# KiCad board motherboard.kicad_pcb (continued)
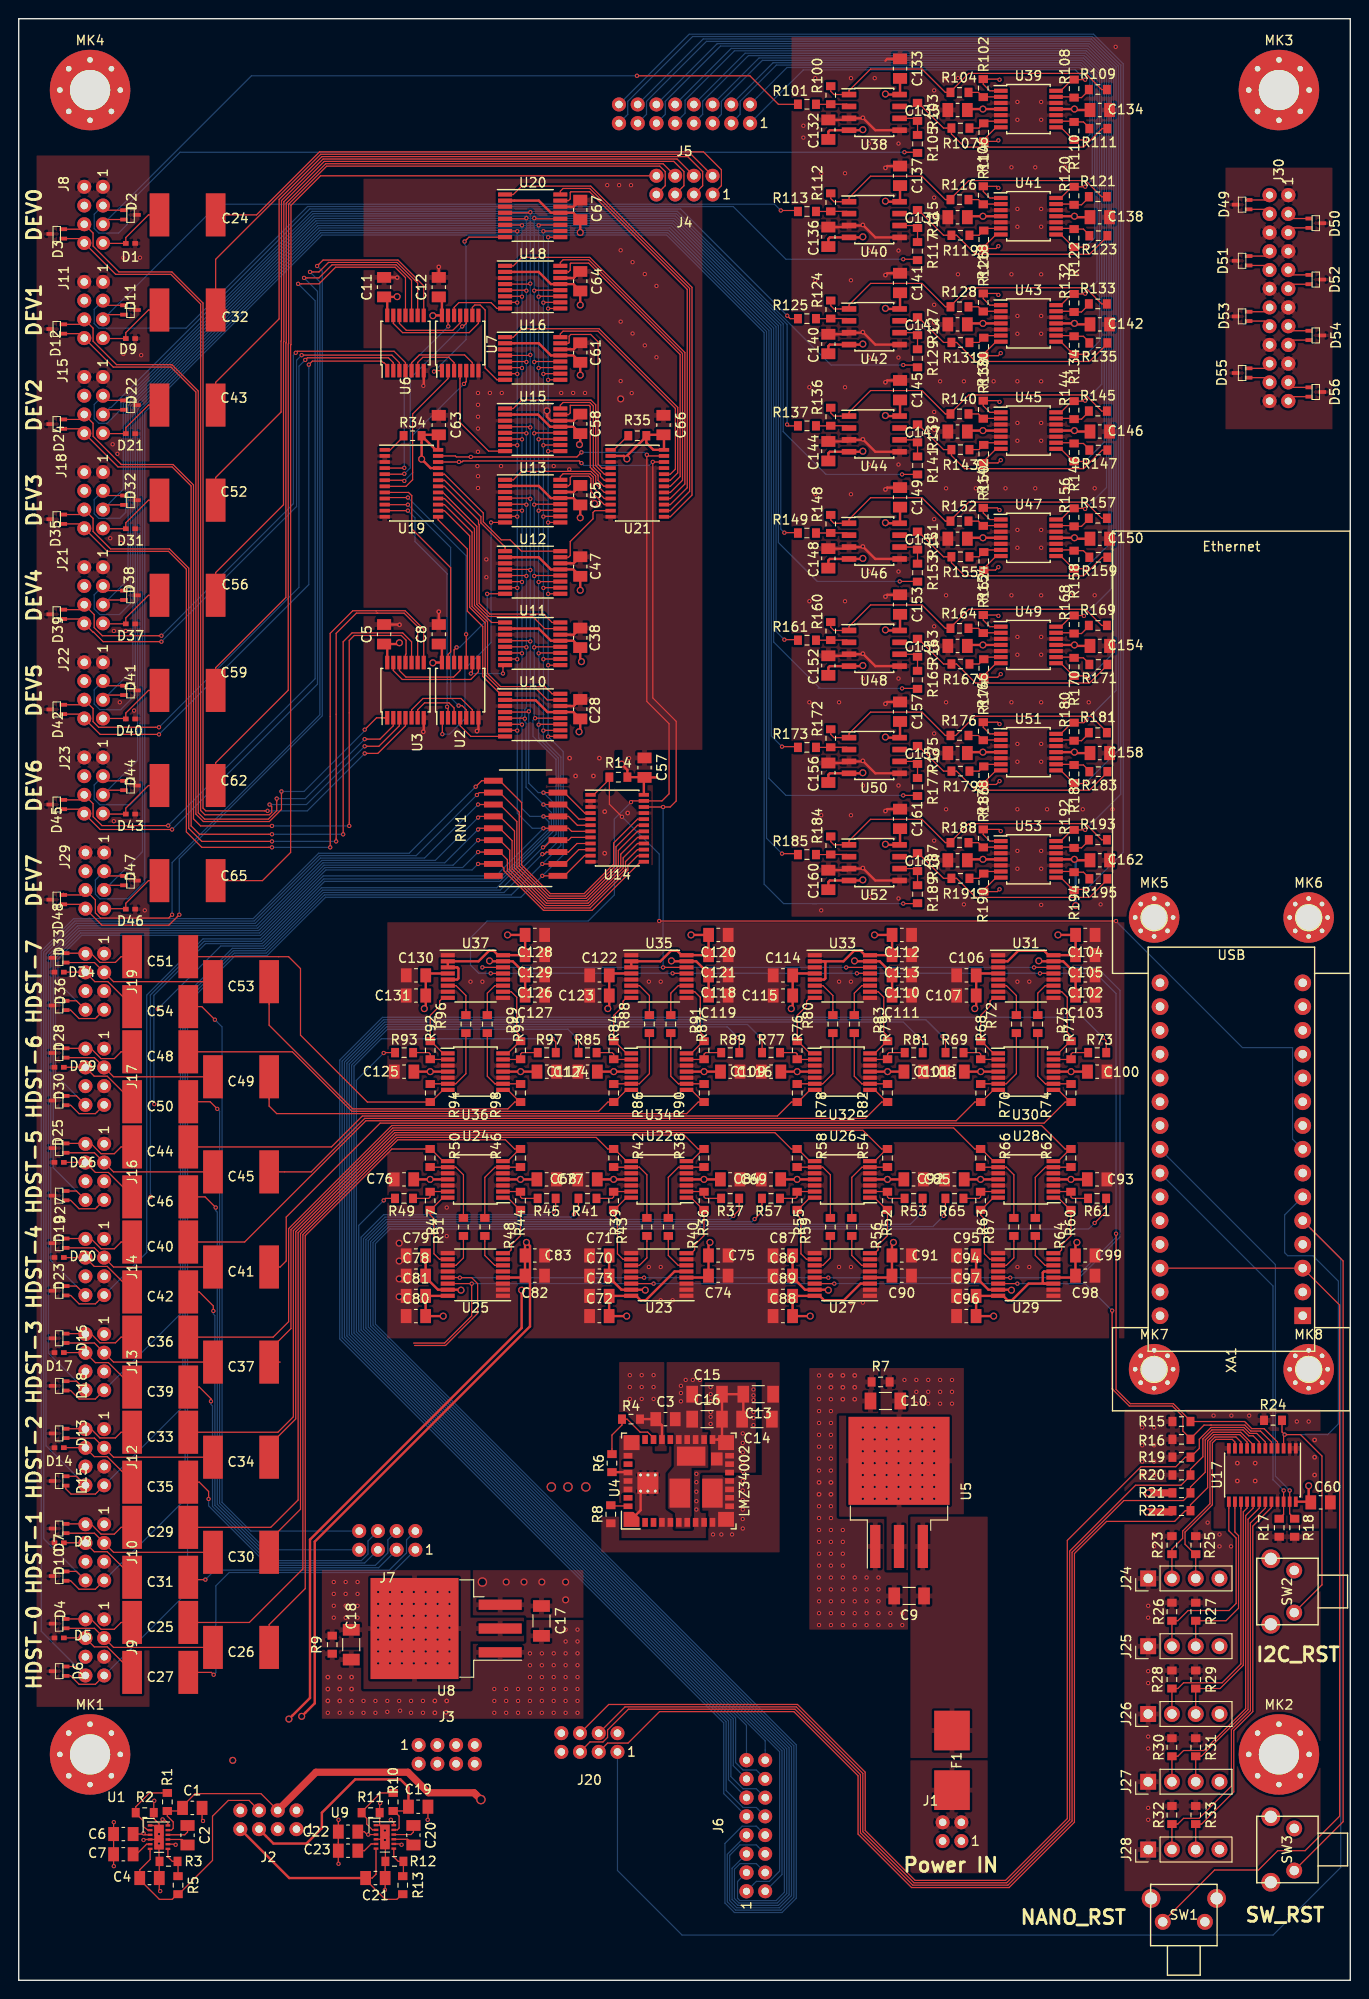
[diagram p0: board, top side]
## Routing (per net, layer and track width the routed paths; a pad name or vN(x,y) marks a point on that pad's centre or on a via; arc(x,y) is an arc through that point) (continued)
/Audio Mux and Control/Device LR Distro Amplifier 4/L_IN: length 131.4
  Top w0.127: R149.2 83.2,154.65 v1(81.79,154.65) ; D38.2 9.5,147.46 J21.5
  Bottom w0.127: v1(81.79,154.65) 81.41,155.03 81.41,176.85 70.04,188.21 31.65,188.21 11.68,168.25 11.68,149.64 J21.5
/Audio Mux and Control/Device LR Distro Amplifier 4/R_IN: length 152.8
  Top w0.127: v1(94.11,149.44) 95.99,149.44 R153.2 ; D38.1 9.5,148.46 J21.3
  Bottom w0.127: v1(94.11,149.44) 85.3,149.44 81.15,153.59 81.15,176.74 69.93,187.96 31.75,187.96 11.94,168.14 11.94,147.07 10.77,145.9 8.67,145.9 8.06,146.5 8.06,148.01 J21.3
/Audio Mux and Control/Device LR Distro Amplifier 5/L_IN: length 151.7
  Top w0.127: v1(81.79,143.22) 83.18,143.22 R161.2 ; D41.2 9.5,137.3 J22.5
  Bottom w0.127: v1(81.79,143.22) 80.9,144.1 80.9,176.64 69.83,187.71 31.86,187.71 12.19,168.04 12.19,139.99 J22.5
/Audio Mux and Control/Device LR Distro Amplifier 5/R_IN: length 173.2
  Top w0.127: v1(94.36,138.01) 95.97,138.01 R165.2 ; J22.3 9.5,138.3 D41.1
  Bottom w0.127: 85.6,138.01 v1(94.36,138.01) ; 85.6,138.01 85.38,138.01 ; 85.6,138.01 80.65,142.96 80.65,176.51 69.7,187.45 31.96,187.45 12.45,167.93 12.45,137.29 10.89,135.74 8.67,135.74 8.06,136.34 8.06,137.85 J22.3
/Audio Mux and Control/Device LR Distro Amplifier 6/L_IN: length 172.2
  Top w0.127: R173.2 83.16,131.79 v1(81.53,131.79) ; J23.5 9.5,127.14 D44.2
  Bottom w0.127: v1(81.53,131.79) 80.39,132.93 80.39,176.38 69.57,187.2 32.07,187.2 12.7,167.83 12.7,130.33 J23.5
/Audio Mux and Control/Device LR Distro Amplifier 6/R_IN: length 196.1
  Top w0.127: J23.3 9.5,128.14 D44.1 ; v1(94.49,126.58) 95.95,126.58 R177.2
  Bottom w0.127: v1(94.49,126.58) 81.96,126.58 80.14,128.4 80.14,176.25 69.45,186.94 32.17,186.94 12.95,167.72 12.95,126.62 11.91,125.58 8.67,125.58 8.06,126.18 8.06,127.69 J23.3
/Audio Mux and Control/Device LR Distro Amplifier 7/L_IN: length 192.3
  Top w0.127: R185.2 83.14,120.36 v1(81.53,120.36) ; D47.2 9.63,116.98 J29.5
  Bottom w0.127: v1(81.53,120.36) 79.88,122.01 79.88,176.13 69.32,186.69 32.28,186.69 13.21,167.62 13.21,120.55 J29.5
/Audio Mux and Control/Device LR Distro Amplifier 7/R_IN: length 216.5
  Top w0.127: R189.2 95.97,115.02 v1(94.49,115.02) ; J29.3 9.63,117.98 D47.1
  Bottom w0.127: 85.22,115.02 81.7,115.02 79.63,117.09 79.63,176.02 69.22,186.44 32.38,186.44 13.46,167.51 13.46,117.35 11.65,115.53 8.68,115.53 8.19,116.02 8.19,117.53 J29.3 ; 85.22,115.02 v1(94.49,115.02) ; 85.22,115.02 84.75,115.02
/Audio Mux and Control/HEADSET-AUDIO-SOURCE-L-0: length 42.2
  Top w0.127: U39.14 111.31,201.85 112.51,203.05 R108.1 113.91,203.05 v1(113.92,203.03)
  Bottom w0.127: v1(113.92,203.03) 112.86,204.09 83.82,204.09 J5.1
/Audio Mux and Control/HEADSET-AUDIO-SOURCE-L-1: length 58.1
  Top w0.127: U41.14 111.31,190.4 112.51,191.6 R120.1 113.91,191.6 v1(113.92,191.6)
  Bottom w0.127: v1(113.92,191.6) 114.68,192.36 114.68,203.33 113.42,204.6 80.93,204.6 77.06,200.72 77.06,199.33 J5.3
/Audio Mux and Control/HEADSET-AUDIO-SOURCE-L-2: length 72.8
  Top w0.127: v1(113.92,180.17) 113.89,180.15 R132.1 112.51,180.15 111.31,178.95 U43.14
  Bottom w0.127: J5.5 75.06,199.33 75.06,200.72 79.44,205.1 113.63,205.1 115.19,203.54 115.19,181.44 v1(113.92,180.17)
/Audio Mux and Control/HEADSET-AUDIO-SOURCE-L-3: length 87.5
  Top w0.127: v1(113.92,168.74) 113.87,168.7 R144.1 112.51,168.7 111.31,167.5 U45.14
  Bottom w0.127: v1(113.92,168.74) 115.7,170.52 115.7,203.76 113.84,205.61 77.95,205.61 73.06,200.72 73.06,199.33 J5.7
/Audio Mux and Control/HEADSET-AUDIO-SOURCE-L-4: length 102.4
  Top w0.127: U47.14 111.31,156.05 112.51,157.25 R156.1 113.86,157.25 v1(113.92,157.19)
  Bottom w0.127: v1(113.92,157.19) 116.2,159.47 116.2,203.97 114.05,206.12 76.46,206.12 71.18,200.84 71.18,199.45 J5.9
/Audio Mux and Control/HEADSET-AUDIO-SOURCE-L-5: length 117
  Top w0.127: U49.14 111.31,144.6 112.51,145.8 R168.1 113.75,145.8 v1(113.79,145.76)
  Bottom w0.127: v1(113.79,145.76) 116.71,148.68 116.71,204.18 114.26,206.63 74.97,206.63 69.06,200.72 69.06,199.33 J5.11
/Audio Mux and Control/HEADSET-AUDIO-SOURCE-L-6: length 131.6
  Top w0.127: v1(114.05,134.62) 113.77,134.35 R180.1 112.51,134.35 111.31,133.15 U51.14
  Bottom w0.127: v1(114.05,134.62) 117.22,137.79 117.22,204.39 114.47,207.14 73.48,207.14 67.06,200.72 67.06,199.33 J5.13
/Audio Mux and Control/HEADSET-AUDIO-SOURCE-L-7: length 146.4
  Top w0.127: U53.14 111.31,121.7 112.51,122.9 R192.1 113.92,122.9 v1(113.92,122.9)
  Bottom w0.127: v1(113.92,122.9) 117.73,126.71 117.73,204.6 114.68,207.65 71.98,207.65 65.06,200.72 65.06,199.33 J5.15
/Audio Mux and Control/HEADSET-AUDIO-SOURCE-R-0: length 48.9
  Top w0.127: U39.8 111.31,197.95 112.66,196.6 R110.1 113.84,196.6 v1(113.92,196.68)
  Bottom w0.127: J5.2 82.07,204.34 113.31,204.34 114.43,203.23 114.43,197.19 v1(113.92,196.68)
/Audio Mux and Control/HEADSET-AUDIO-SOURCE-R-1: length 63.7
  Top w0.127: v1(113.92,185.13) 113.89,185.15 R122.1 112.66,185.15 111.31,186.5 U41.8
  Bottom w0.127: v1(113.92,185.13) 114.93,186.14 114.93,203.44 113.52,204.85 80.58,204.85 J5.4
/Audio Mux and Control/HEADSET-AUDIO-SOURCE-R-2: length 78.4
  Top w0.127: v1(114.05,173.7) 114.04,173.7 R134.1 112.66,173.7 111.31,175.05 U43.8
  Bottom w0.127: J5.6 79.09,205.36 113.73,205.36 115.44,203.65 115.44,175.09 v1(114.05,173.7)
/Audio Mux and Control/HEADSET-AUDIO-SOURCE-R-3: length 93
  Top w0.127: v1(113.92,162.27) 113.9,162.25 R146.1 112.66,162.25 111.31,163.6 U45.8
  Bottom w0.127: J5.8 77.6,205.87 113.94,205.87 115.95,203.86 115.95,164.3 v1(113.92,162.27)
/Audio Mux and Control/HEADSET-AUDIO-SOURCE-R-4: length 107.7
  Top w0.127: v1(113.92,150.84) 113.88,150.8 R158.1 112.66,150.8 111.31,152.15 U47.8
  Bottom w0.127: v1(113.92,150.84) 116.46,153.38 116.46,204.07 114.15,206.37 76.1,206.37 J5.10
/Audio Mux and Control/HEADSET-AUDIO-SOURCE-R-5: length 123
  Top w0.127: U49.8 111.31,140.7 112.66,139.35 R170.1 114.02,139.35 v1(114.26,139.11)
  Bottom w0.127: J5.12 74.61,206.88 114.37,206.88 116.97,204.28 116.97,141.82 v1(114.26,139.11)
/Audio Mux and Control/HEADSET-AUDIO-SOURCE-R-6: length 137.3
  Top w0.127: U51.8 111.31,129.25 112.66,127.9 R182.1 112.79,127.85 v1(113.92,127.85)
  Bottom w0.127: J5.14 73.12,207.39 114.58,207.39 117.47,204.49 117.47,131.4 v1(113.92,127.85)
/Audio Mux and Control/HEADSET-AUDIO-SOURCE-R-7: length 151.9
  Top w0.127: U53.8 111.31,117.8 112.66,116.45 R194.1 112.83,116.55 v1(114.05,116.55)
  Bottom w0.127: v1(114.05,116.55) 117.98,120.48 117.98,204.72 114.81,207.9 71.63,207.9 J5.16
/Audio Mux and Control/L_OUT0: length 112.5
  Top w0.127: v1(57.15,82.08) 57.36,82.29 R45.2
  Bottom w0.127: J6.2 81.53,11.3 81.53,24.51 36.58,69.47 36.58,79.38 38.99,81.79 56.53,81.79 56.83,82.08 v1(57.15,82.08)
/Audio Mux and Control/L_OUT1: length 144.2
  Top w0.127: R37.2 76.96,82.29 v1(76.33,81.66)
  Bottom w0.127: J6.4 78.79,12.46 77.05,12.46 76.45,11.86 76.45,8.74 76.94,8.26 81.03,8.26 82.04,9.27 82.04,24.73 37.08,69.68 37.08,79.12 39.24,81.28 75.95,81.28 v1(76.33,81.66)
/Audio Mux and Control/L_OUT2: length 167.2
  Top w0.127: R53.2 96.56,82.08 v1(96.39,81.92)
  Bottom w0.127: J6.6 78.79,14.46 77.05,14.46 75.95,13.36 75.95,8.51 76.71,7.75 81.26,7.75 82.55,9.04 82.55,24.94 37.59,69.89 37.59,78.91 39.45,80.77 95.25,80.77 v1(96.39,81.92)
/Audio Mux and Control/L_OUT3: length 189.9
  Top w0.127: v1(114.94,80.9) 116.16,82.12 R61.2
  Bottom w0.127: J6.8 78.79,16.46 77.28,16.46 75.44,14.62 75.44,8.25 76.45,7.24 81.53,7.24 83.06,8.76 83.06,25.15 38.1,70.1 38.1,78.7 39.66,80.26 114.3,80.26 v1(114.94,80.9)
/Audio Mux and Control/L_OUT4: length 168.8
  Top w0.127: v1(98.68,100.84) 99,100.51 R69.2
  Bottom w0.127: v1(98.68,100.84) 96.9,102.62 38.97,102.62 34.54,98.19 34.54,68.63 75.56,27.61 75.56,20.28 77.38,18.46 78.79,18.46 J6.10
/Audio Mux and Control/L_OUT5: length 146
  Top w0.127: v1(79.12,100.84) 79.4,100.55 R77.2
  Bottom w0.127: J6.12 78.79,20.46 77.38,20.46 76.07,21.77 76.07,27.82 35.05,68.84 35.05,97.98 39.18,102.11 77.85,102.11 v1(79.12,100.84)
/Audio Mux and Control/L_OUT6: length 123.1
  Top w0.127: R85.2 59.8,100.47 v1(59.56,100.71)
  Bottom w0.127: v1(59.56,100.71) 58.67,101.6 39.39,101.6 35.56,97.77 35.56,69.05 76.58,28.03 76.58,23.26 77.38,22.46 78.79,22.46 J6.14
/Audio Mux and Control/L_OUT7: length 96.1
  Top w0.127: R93.2 39.03,99.1 v1(38.99,99.06)
  Bottom w0.127: J6.16 79.74,25.59 36.07,69.26 36.07,96.14 v1(38.99,99.06)
/Audio Mux and Control/MIC-IN0: length 35.3
  Top w0.127: v1(20.83,32.64) 20.57,32.89 C27.2
  Bottom w0.127: v1(20.83,32.64) 21.06,32.87 21.06,42.14 22.48,43.56 39.94,43.56 J7.1
/Audio Mux and Control/MIC-IN1: length 27.3
  Top w0.127: C31.2 18.37,42.8 v1(19.94,42.8)
  Bottom w0.127: J7.2 41.43,47.05 41.43,45.66 39.59,43.81 27.03,43.81 27.03,43.82 20.96,43.82 v1(19.94,42.8)
/Audio Mux and Control/MIC-IN2: length 27.7
  Top w0.127: C35.2 19.29,53.21 20.28,52.22 v1(20.28,51.42)
  Bottom w0.127: J7.3 38.45,44.07 27.13,44.07 26.23,44.97 26,44.97 20.28,50.69 v1(20.28,51.42)
/Audio Mux and Control/MIC-IN3: length 39.1
  Top w0.127: v1(20.54,61.85) 20.54,62.13 19.29,63.37 C39.2
  Bottom w0.127: J7.4 39.43,47.05 39.43,45.66 38.09,44.32 27.24,44.32 26.33,45.23 26.11,45.23 20.7,50.63 20.7,61.36 20.54,61.53 v1(20.54,61.85)
/Audio Mux and Control/MIC-IN4: length 45.2
  Top w0.127: C42.2 19.29,73.53 20.79,72.03 v1(20.79,71.5)
  Bottom w0.127: v1(20.79,71.5) 20.79,71.18 20.95,71.01 20.95,50.74 26.21,45.48 26.44,45.48 27.34,44.58 36.96,44.58 J7.5
/Audio Mux and Control/MIC-IN5: length 57
  Top w0.127: v1(21.04,82.55) 19.9,83.69 C46.2
  Bottom w0.127: J7.6 37.31,46.93 37.31,45.54 36.6,44.83 27.45,44.83 26.55,45.74 26.32,45.74 21.21,50.84 21.21,82.06 21.04,82.23 v1(21.04,82.55)
/Audio Mux and Control/MIC-IN6: length 62.6
  Top w0.127: v1(21.21,93.09) 20.45,93.85 C50.2
  Bottom w0.127: J7.7 26.42,45.99 21.46,50.95 21.46,92.84 v1(21.21,93.09)
/Audio Mux and Control/MIC-IN7: length 71.2
  Top w0.127: C54.2 19.56,104.01 v1(20.95,102.62)
  Bottom w0.127: J7.8 24.78,47.99 21.72,51.05 21.72,101.85 v1(20.95,102.62)
/Audio Mux and Control/MIC-MUTE-0: length 167.3
  Top w0.127: U14.20 66.1,124.04 63.55,121.49 63.55,119.23 60.4,116.08 56.79,116.08 53.72,119.15 53.72,125.81 51.38,128.15 RN1.1 49.45,128.15 v1(48.82,127.51) ; D6.2 6.17,33.52 J9.8
  Bottom w0.127: J9.8 2.41,37.28 2.41,109.96 5.86,113.41 25.04,113.41 32.03,120.4 41.7,120.4 v1(48.82,127.51)
/Audio Mux and Control/MIC-MUTE-1: length 154.9
  Top w0.127: v1(48.94,126.62) 49.2,126.88 RN1.2 51.38,126.88 53.47,124.79 53.47,119.05 56.69,115.83 60.5,115.83 63.8,119.13 63.8,121.09 66.1,123.39 U14.19 ; J10.8 6.17,43.68 D10.2
  Bottom w0.127: v1(48.94,126.62) 42.46,120.14 32.13,120.14 25.15,113.16 5.99,113.16 2.67,109.83 2.67,47.18 J10.8
/Audio Mux and Control/MIC-MUTE-2: length 142.5
  Top w0.127: v1(49.07,125.61) RN1.3 51.38,125.61 53.21,123.78 53.21,118.94 56.58,115.57 60.61,115.57 64.06,119.02 64.06,120.69 66.1,122.74 U14.18 ; J12.8 6.17,53.84 D15.2
  Bottom w0.127: v1(49.07,125.61) 43.35,119.89 32.24,119.89 25.25,112.9 6.12,112.9 2.92,109.71 2.92,57.09 J12.8
/Audio Mux and Control/MIC-MUTE-3: length 130
  Top w0.127: D18.2 6.17,64 J13.8 ; v1(49.07,124.21) 49.2,124.34 RN1.4 51.38,124.34 52.96,122.76 52.96,118.84 56.48,115.32 60.71,115.32 64.31,118.91 64.31,120.3 66.1,122.09 U14.17
  Bottom w0.127: J13.8 3.17,66.99 3.17,109.54 6.29,112.65 25.4,112.65 32.39,119.63 44.5,119.63 v1(49.07,124.21)
/Audio Mux and Control/MIC-MUTE-4: length 117.6
  Top w0.127: v1(49.07,122.94) 49.2,123.07 RN1.5 51.38,123.07 52.7,121.75 52.7,118.73 56.37,115.06 60.82,115.06 64.56,118.81 64.56,119.9 66.1,121.44 U14.16 ; J14.8 6.17,74.16 D23.2
  Bottom w0.127: v1(49.07,122.94) 45.51,119.38 32.5,119.38 25.51,112.4 6.39,112.4 3.43,109.43 3.43,76.9 J14.8
/Audio Mux and Control/MIC-MUTE-5: length 105.2
  Top w0.127: D27.2 6.17,84.32 J16.8 ; U14.15 66.1,120.79 64.82,119.51 64.82,118.7 60.92,114.81 56.27,114.81 52.45,118.63 52.45,120.73 51.38,121.8 RN1.6 v1(49.07,121.8)
  Bottom w0.127: v1(49.07,121.8) 46.4,119.13 32.6,119.13 25.62,112.14 6.5,112.14 3.68,109.33 3.68,86.81 J16.8
/Audio Mux and Control/MIC-MUTE-6: length 92.8
  Top w0.127: v1(49.07,120.53) RN1.7 51.38,120.53 52.2,119.71 52.2,118.52 56.16,114.56 61.03,114.56 65.07,118.6 65.07,119.11 66.1,120.14 U14.14 ; D30.2 6.17,94.48 J17.8
  Bottom w0.127: v1(49.07,120.53) 47.42,118.87 32.71,118.87 25.72,111.89 6.63,111.89 3.94,109.2 3.94,96.71 J17.8
/Audio Mux and Control/MIC-MUTE-7: length 80.3
  Top w0.127: D36.2 6.17,104.64 J19.8 ; U14.13 66.43,119.49 61.24,114.3 56.06,114.3 51.83,118.53 51.83,118.81 51.38,119.26 RN1.8 v1(49.07,119.26)
  Bottom w0.127: v1(49.07,119.26) 48.43,118.62 32.81,118.62 25.83,111.63 6.73,111.63 4.19,109.09 4.19,106.62 J19.8
/Audio Mux and Control/MIC-OUT0: length 61.9
  Top w0.127: J4.1 75.06,191.71 75.06,193.42 73.15,195.33 32.13,195.33 25.4,188.6 C24.1 21.03,187.35
/Audio Mux and Control/MIC-OUT1: length 65.3
  Top w0.127: 22.21,178.44 C32.1 21.03,183.85 32.26,195.07 71.82,195.07 J4.2
/Audio Mux and Control/MIC-OUT2: length 77.2
  Top w0.127: 21.03,169.53 C43.1 21.03,170.7 27.81,177.48 27.81,190.25 32.39,194.82 71.46,194.82 73.06,193.22 73.06,191.71 J4.3 ; 21.03,170.31 21.59,170.31
/Audio Mux and Control/MIC-OUT3: length 81.6
  Top w0.127: J4.4 70.33,194.56 32.51,194.56 28.07,190.12 28.07,175.16 28.03,175.12 28.03,167.54 21.03,160.54 C52.1
/Audio Mux and Control/MIC-OUT4: length 92.9
  Top w0.127: C56.1 21.03,150.38 28.28,157.63 28.28,175.01 28.32,175.05 28.32,189.99 32.64,194.31 69.97,194.31 71.06,193.22 71.06,191.71 J4.5
/Audio Mux and Control/MIC-OUT5: length 99
  Top w0.127: J4.6 68.83,194.06 32.79,194.06 28.57,189.84 28.57,174.95 28.54,174.91 28.54,147.72 21.03,140.22 C59.1
/Audio Mux and Control/MIC-OUT6: length 110.3
  Top w0.127: J4.7 69.06,191.71 69.06,193.22 68.48,193.8 32.89,193.8 28.83,189.74 28.83,174.84 28.79,174.8 28.79,137.82 21.03,130.06 C62.1
/Audio Mux and Control/MIC-OUT7: length 118.7
  Top w0.127: J4.8 32.24,192.77 29.08,189.61 29.08,174.74 29.04,174.7 29.04,120.48 26.04,117.48 C65.1
/Audio Mux and Control/MIXER-OUT-L-0: length 41.6
  Top w0.127: J30.2 133.1,190.19 131.38,190.19 ; U39.1 103.73,201.85 103.03,202.55 R102.1 104.71,203.1 v1(104.78,203.03)
  In1.Cu w0.127: J30.2 133.62,191.97 123.19,202.4 105.41,202.4 v1(104.78,203.03)
/Audio Mux and Control/MIXER-OUT-L-1: length 39.8
  Top w0.127: 137.86,188.21 136.12,188.21 J30.3 ; v1(104.65,191.48) 104.48,191.65 R114.1 103.03,191.1 103.73,190.4 U41.1
  In1.Cu w0.127: J30.3 134.67,187.75 129.87,187.75 126.79,190.84 105.28,190.84 v1(104.65,191.48)
/Audio Mux and Control/MIXER-OUT-L-2: length 38.1
  Top w0.127: v1(104.65,180.05) 104.5,180.2 R126.1 103.03,179.65 103.73,178.95 U43.1 ; 131.38,184.19 133.11,184.19 J30.8
  In1.Cu w0.127: J30.8 128.06,184.71 123.02,179.67 105.03,179.67 v1(104.65,180.05)
/Audio Mux and Control/MIXER-OUT-L-3: length 49.9
  Top w0.127: J30.9 136.14,182.19 137.86,182.19 ; U45.1 103.73,167.5 103.03,168.2 R138.1 104.64,168.75 v1(104.78,168.62)
  In1.Cu w0.127: J30.9 134.68,181.76 128.42,181.76 125.73,179.07 125.73,169.29 124.42,167.98 105.41,167.98 v1(104.78,168.62)
/Audio Mux and Control/MIXER-OUT-L-4: length 52.4
  Top w0.127: J30.14 133.16,178.25 131.38,178.25 ; v1(104.78,157.06) 104.54,157.3 R150.1 103.03,156.75 103.73,156.05 U47.1
  In1.Cu w0.127: J30.14 129.05,178.71 126.24,175.9 126.24,163.58 119.21,156.55 105.28,156.55 v1(104.78,157.06)
/Audio Mux and Control/MIXER-OUT-L-5: length 64
  Top w0.127: U49.1 103.73,144.6 103.03,145.3 R162.1 104.56,145.85 v1(104.65,145.76) ; 137.86,176.22 136.11,176.22 J30.15
  In1.Cu w0.127: J30.15 134.56,175.65 129.67,175.65 126.75,172.72 126.75,149.86 125.52,148.63 107.53,148.63 v1(104.65,145.76)
/Audio Mux and Control/MIXER-OUT-L-6: length 69.9
  Top w0.127: J30.20 133.12,172.2 131.38,172.2 ; U51.1 103.73,133.15 103.03,133.85 R174.1 104.58,134.4 v1(104.78,134.2)
  In1.Cu w0.127: J30.20 129.91,172.71 127.25,170.05 127.25,139.19 122.26,134.2 v1(104.78,134.2)
/Audio Mux and Control/MIXER-OUT-L-7: length 81.7
  Top w0.127: v1(104.9,122.77) 104.72,122.95 R186.1 103.03,122.4 103.73,121.7 U53.1 ; J30.21 136.15,170.17 137.86,170.17
  In1.Cu w0.127: J30.21 134.56,169.65 129.26,169.65 127.76,168.15 127.76,127.13 124.71,124.08 106.21,124.08 v1(104.9,122.77)
/Audio Mux and Control/MIXER-OUT-R-0: length 39.6
  Top w0.127: J30.4 133.14,189.19 131.38,189.19 ; v1(104.65,196.56) 104.54,196.45 R106.1 103.09,196.62 104.41,197.95 U39.7
  In1.Cu w0.127: v1(104.65,196.56) 105.54,197.45 124.88,197.45 J30.4
/Audio Mux and Control/MIXER-OUT-R-1: length 38.3
  Top w0.127: v1(104.65,185.25) 104.39,185 R118.1 103.09,185.17 104.41,186.5 U41.7 ; J30.5 136.12,187.21 137.86,187.21
  In1.Cu w0.127: J30.5 134.67,185.75 127.73,185.75 127.59,185.89 105.28,185.89 v1(104.65,185.25)
/Audio Mux and Control/MIXER-OUT-R-2: length 40.5
  Top w0.127: v1(104.9,173.82) 104.63,173.55 R130.1 103.09,173.72 104.41,175.05 U43.7 ; 131.38,183.19 133.13,183.19 J30.10
  In1.Cu w0.127: J30.10 127.21,182.71 123.57,179.07 123.57,177.13 120.9,174.46 105.54,174.46 v1(104.9,173.82)
/Audio Mux and Control/MIXER-OUT-R-3: length 51.7
  Top w0.127: U45.7 104.41,163.6 103.09,162.27 R142.1 104.61,162.1 v1(104.9,162.39) ; J30.11 136.1,181.19 137.86,181.19
  In1.Cu w0.127: J30.11 134.68,179.76 128.33,179.76 125.98,177.42 125.98,166.37 122.64,163.03 105.54,163.03 v1(104.9,162.39)
/Audio Mux and Control/MIXER-OUT-R-4: length 58.3
  Top w0.127: U47.7 104.41,152.15 103.09,150.82 R154.1 104.33,150.65 v1(104.65,150.96) ; J30.16 133.08,177.25 131.38,177.25
  In1.Cu w0.127: v1(104.65,150.96) 105.28,151.6 123.78,151.6 126.49,154.31 126.49,174.75 128.44,176.71 J30.16
/Audio Mux and Control/MIXER-OUT-R-5: length 69.2
  Top w0.127: U49.7 104.41,140.7 103.09,139.37 R166.1 104.57,139.2 v1(104.9,139.53) ; J30.17 136.13,175.22 137.86,175.22
  In1.Cu w0.127: v1(104.9,139.53) 124.29,139.53 127,142.24 127,171.2 129.57,173.76 134.68,173.76 J30.17
/Audio Mux and Control/MIXER-OUT-R-6: length 74.5
  Top w0.127: 131.38,171.2 133.12,171.2 J30.22 ; v1(104.78,128.1) 104.42,127.75 R178.1 103.09,127.92 104.41,129.25 U51.7
  In1.Cu w0.127: J30.22 129.3,170.71 127.51,168.91 127.51,132.84 123,128.33 105,128.33 v1(104.78,128.1)
/Audio Mux and Control/MIXER-OUT-R-7: length 85.4
  Top w0.127: 137.86,169.17 136.09,169.17 J30.23 ; U53.7 104.41,117.8 103.09,116.47 R190.1 104.53,116.3 v1(104.78,116.55)
  In1.Cu w0.127: v1(104.78,116.55) 105.54,117.31 123.66,117.31 128.02,121.67 128.02,166.37 128.65,167.01 133.92,167.01 J30.23
/Audio Mux and Control/MUX->OR-0: length 6.1
  Top w0.127: U2.4 47.16,134.02 48.3,132.88 U10.8
/Audio Mux and Control/MUX->OR-1: length 5.7
  Top w0.127: v1(51.73,139.6) 51.73,140.27 U11.8 ; v1(48.3,139.6) 48.46,139.76 U2.9
  Bottom w0.127: v1(48.3,139.6) v1(51.73,139.6)
/Audio Mux and Control/MUX->OR-2: length 10.9
  Top w0.127: U2.12 46.51,142.12 v1(46.78,142.39) ; v1(50.04,148.11) 50.05,148.12 U12.8
  Bottom w0.127: v1(46.78,142.39) 47.1,142.39 50.04,145.33 v1(50.04,148.11)
/Audio Mux and Control/MUX->OR-3: length 28.5
  Top w0.127: U2.1 45.25,134.83 v1(45.25,133.12) ; v1(50.46,155.73) 50.47,155.74 U13.8
  Bottom w0.127: v1(50.46,155.73) 50.46,142.9 47.66,140.11 47.66,134.77 46.01,133.12 v1(45.25,133.12)
/Audio Mux and Control/MUX->OR-4: length 11.6
  Top w0.127: U15.8 50.19,163.36 47.14,166.42 47.14,171.08 47.16,171.1 U7.4
/Audio Mux and Control/MUX->OR-5: length 11.4
  Top w0.127: U7.9 48.46,178.71 48.72,178.97 49.29,178.97 49.82,178.43 49.82,172.23 51.08,170.98 U16.8
/Audio Mux and Control/MUX->OR-6: length 6.8
  Top w0.127: U18.8 51.08,178.6 50.45,179.22 47.02,179.22 46.51,178.71 U7.12
/Audio Mux and Control/MUX->OR-7: length 20.8
  Top w0.127: v1(47.63,185.75) 48.1,186.22 U20.8 ; v1(44.36,171.86) 44.46,171.96 U7.1
  Bottom w0.127: v1(47.63,185.75) 47.63,185.43 47.79,185.26 47.79,175.29 v1(44.36,171.86)
/Audio Mux and Control/PTT+DEV0: length 99.8
  Top w0.127: v1(26.58,124.93) 19.98,124.93 19.69,125.22 19.69,179.18 16.36,182.5 10.71,182.5 7.94,185.26 7.94,186.65 J8.6 6.47,187.06 D3.2 ; U3.4 41.31,134.02 38.36,131.06 v1(36.96,131.06)
  Bottom w0.127: v1(26.58,124.93) 30.82,124.93 v1(36.96,131.06)
/Audio Mux and Control/PTT+DEV1: length 90.5
  Top w0.127: v1(27.56,126.24) 27.56,124.94 26.66,124.04 19.85,124.04 19.18,124.71 19.18,169.78 16.36,172.59 10.45,172.59 7.94,175.1 7.94,176.49 J11.6 6.47,176.9 D12.2 ; U3.2 40.01,134.02 38.58,132.59 v1(36.96,132.59)
  Bottom w0.127: v1(36.96,132.59) 30.61,126.24 v1(27.56,126.24)
/Audio Mux and Control/PTT+DEV2: length 99.4
  Top w0.127: U3.11 41.31,141.62 41.38,141.69 41.38,143.16 40.87,143.66 35.84,143.66 35.31,143.13 v1(35.31,123.32) ; D24.2 6.47,166.74 J15.6 7.94,166.33 7.94,164.94 10.96,161.93 16.49,161.93 18.67,159.74 18.67,124.08 19.43,123.32 v1(27.05,123.32)
  Bottom w0.127: v1(35.31,123.32) v1(27.05,123.32)
/Audio Mux and Control/PTT+DEV3: length 97.7
  Top w0.127: 38.35,146.05 36.07,146.05 33.91,143.89 v1(33.91,121.67) ; 38.35,146.05 38.21,146.05 ; 38.35,146.05 41.17,146.05 42.61,144.61 U3.9 ; v1(27.05,121.67) 19.56,121.67 18.16,123.06 18.16,150.85 16.11,152.91 9.82,152.91 7.94,154.78 7.94,156.17 J18.6 6.47,156.58 D35.2 4.56,156.58
  Bottom w0.127: v1(33.91,121.67) v1(27.05,121.67)
/Audio Mux and Control/PTT+DEV4: length 62.2
  Top w0.127: v1(29.59,173.86) 29.76,174.03 40.09,174.03 41.31,172.81 U6.4 ; D39.2 6.47,146.42 J21.6 8.06,145.9 8.06,144.5 8.93,143.64 v1(15.24,143.64)
  Bottom w0.127: v1(15.24,143.64) 29.34,157.73 29.34,173.61 v1(29.59,173.86)
/Audio Mux and Control/PTT+DEV5: length 68.8
  Top w0.127: D42.2 6.47,136.26 J22.6 7.94,135.85 7.94,134.46 8.55,133.85 14.98,133.85 v1(14.99,133.86) ; v1(30.61,173.1) 30.84,173.33 39.49,173.33 40.01,172.81 U6.2
  Bottom w0.127: v1(30.61,173.1) 29.93,172.43 29.93,148.81 v1(14.99,133.86)
/Audio Mux and Control/PTT+DEV6: length 95.4
  Top w0.127: v1(15.97,123.36) 8.89,123.36 7.94,124.3 7.94,125.69 J23.6 6.47,126.1 D45.2 ; U6.11 41.31,181.89 40.2,183.01 33.85,183.01 32.07,181.23 v1(29.84,181.23)
  Bottom w0.127: v1(29.84,181.23) 31.66,179.41 31.66,139.05 v1(15.97,123.36)
/Audio Mux and Control/PTT+DEV7: length 106.2
  Top w0.127: v1(16.38,113.83) 16.03,113.47 8.74,113.47 8.19,114.02 8.19,115.42 J29.6 6.6,115.94 D48.2 4.76,116.14 ; U6.9 42.61,181.31 40.41,183.51 33.09,183.51 32.07,182.5 v1(31.12,182.5)
  Bottom w0.127: v1(16.38,113.83) 16.38,119.4 32.17,135.19 32.17,181.44 v1(31.12,182.5)
/Audio Mux and Control/PTT-0: length 210.2
  Top w0.127: U12.9 56.57,148.12 v1(56.55,148.11) ; D6.1 5.54,32.52 6.45,31.62 8.19,31.62 J9.7 ; U16.9 56.57,170.98 v1(56.55,170.97) ; v1(56.55,155.73) 56.57,155.74 U13.9 ; U10.9 56.57,132.88 v1(56.55,132.87) ; U14.11 60.44,120.14 58.28,117.99 RN1.10 v1(55.93,117.99) ; v1(56.55,140.49) 57.84,140.49 U11.9 ; U20.9 56.57,186.22 v1(56.55,186.21) ; U15.9 56.57,163.36 v1(56.55,163.35) ; U18.9 56.57,178.6 v1(56.55,178.59)
  Bottom w0.127: J9.7 18.03,41.47 18.03,104.38 23.13,109.47 26.54,109.47 32.77,115.7 53.64,115.7 v1(55.93,117.99) 58.17,120.22 58.17,131.26 v1(56.55,132.87) v1(56.55,140.49) v1(56.55,148.11) v1(56.55,155.73) v1(56.55,163.35) v1(56.55,170.97) v1(56.55,178.59) v1(56.55,186.21)
/Audio Mux and Control/PTT-1: length 204.3
  Top w0.127: v1(56.05,163.98) 56.07,164.01 U15.10 ; U13.10 56.07,156.39 v1(56.05,156.36) ; U20.10 56.07,186.87 v1(56.05,186.84) ; U12.10 56.07,148.77 v1(56.05,148.74) ; U16.10 56.07,171.63 v1(56.05,171.6) ; U14.10 59.82,120.79 58.28,119.26 RN1.11 v1(55.93,119.26) ; v1(56.05,141.12) 56.07,141.15 U11.10 ; v1(56.05,133.5) 56.07,133.53 U10.10 ; v1(56.05,179.22) 56.07,179.25 U18.10 ; J10.7 8.19,41.78 6.45,41.78 5.54,42.68 D10.1
  Bottom w0.127: J10.7 17.78,51.37 17.78,104.48 23.03,109.73 26.44,109.73 32.66,115.95 52.62,115.95 v1(55.93,119.26) 57.91,121.24 57.91,130.68 56.05,132.55 v1(56.05,133.5) v1(56.05,141.12) v1(56.05,148.74) v1(56.05,156.36) v1(56.05,163.98) v1(56.05,171.6) v1(56.05,179.22) v1(56.05,186.84) 56.37,186.84
/Audio Mux and Control/PTT-2: length 199.4
  Top w0.127: v1(55.93,120.3) 56.14,120.3 56.36,120.53 RN1.12 58.73,120.53 59.64,121.44 U14.9 ; v1(55.54,164.62) 55.58,164.66 U15.11 ; U20.11 55.58,187.52 v1(55.54,187.48) ; D15.1 5.02,52.51 5.59,51.94 8.19,51.94 J12.7 ; U11.11 55.58,141.8 v1(55.54,141.76) ; v1(55.54,179.86) 55.58,179.9 U18.11 ; v1(55.54,134.14) 55.58,134.18 U10.11 ; U13.11 55.58,157.04 v1(55.54,157) ; U12.11 55.58,149.42 v1(55.54,149.38) ; v1(55.54,172.24) 55.58,172.28 U16.11
  Bottom w0.127: J12.7 17.53,61.28 17.53,104.59 22.92,109.98 26.33,109.98 32.56,116.2 51.84,116.2 v1(55.93,120.3) 56.26,120.3 57.66,121.7 57.66,130.56 55.54,132.68 v1(55.54,134.14) 55.54,134.46 55.58,134.5 55.58,141.4 55.54,141.44 v1(55.54,141.76) ; v1(55.54,141.76) v1(55.54,149.38) v1(55.54,157) v1(55.54,164.62) v1(55.54,172.24) v1(55.54,179.86) v1(55.54,187.48) 56.34,187.48 ; v1(55.54,141.76) 55.54,141.89
/Audio Mux and Control/PTT-3: length 194.2
  Top w0.127: U20.12 55.15,188.17 v1(55.07,188.25) ; U15.12 55.12,165.31 v1(55.07,165.26) ; v1(56.01,121.03) 56.15,121.03 56.91,121.8 RN1.13 58.73,121.8 59.02,122.09 U14.8 ; v1(55.16,134.83) 55.16,134.83 U10.12 ; J13.7 8.19,62.1 6.45,62.1 5.54,63 D18.1 ; v1(55.07,172.88) 55.12,172.93 U16.12 ; v1(55.07,157.64) 55.12,157.69 U13.12 ; v1(55.07,142.4) 55.12,142.45 U11.12 ; U18.12 55.12,180.55 v1(55.07,180.5) ; U12.12 55.12,150.07 v1(55.07,150.02)